# Altium PCB hamed-esfand403.PcbDoc (continued)
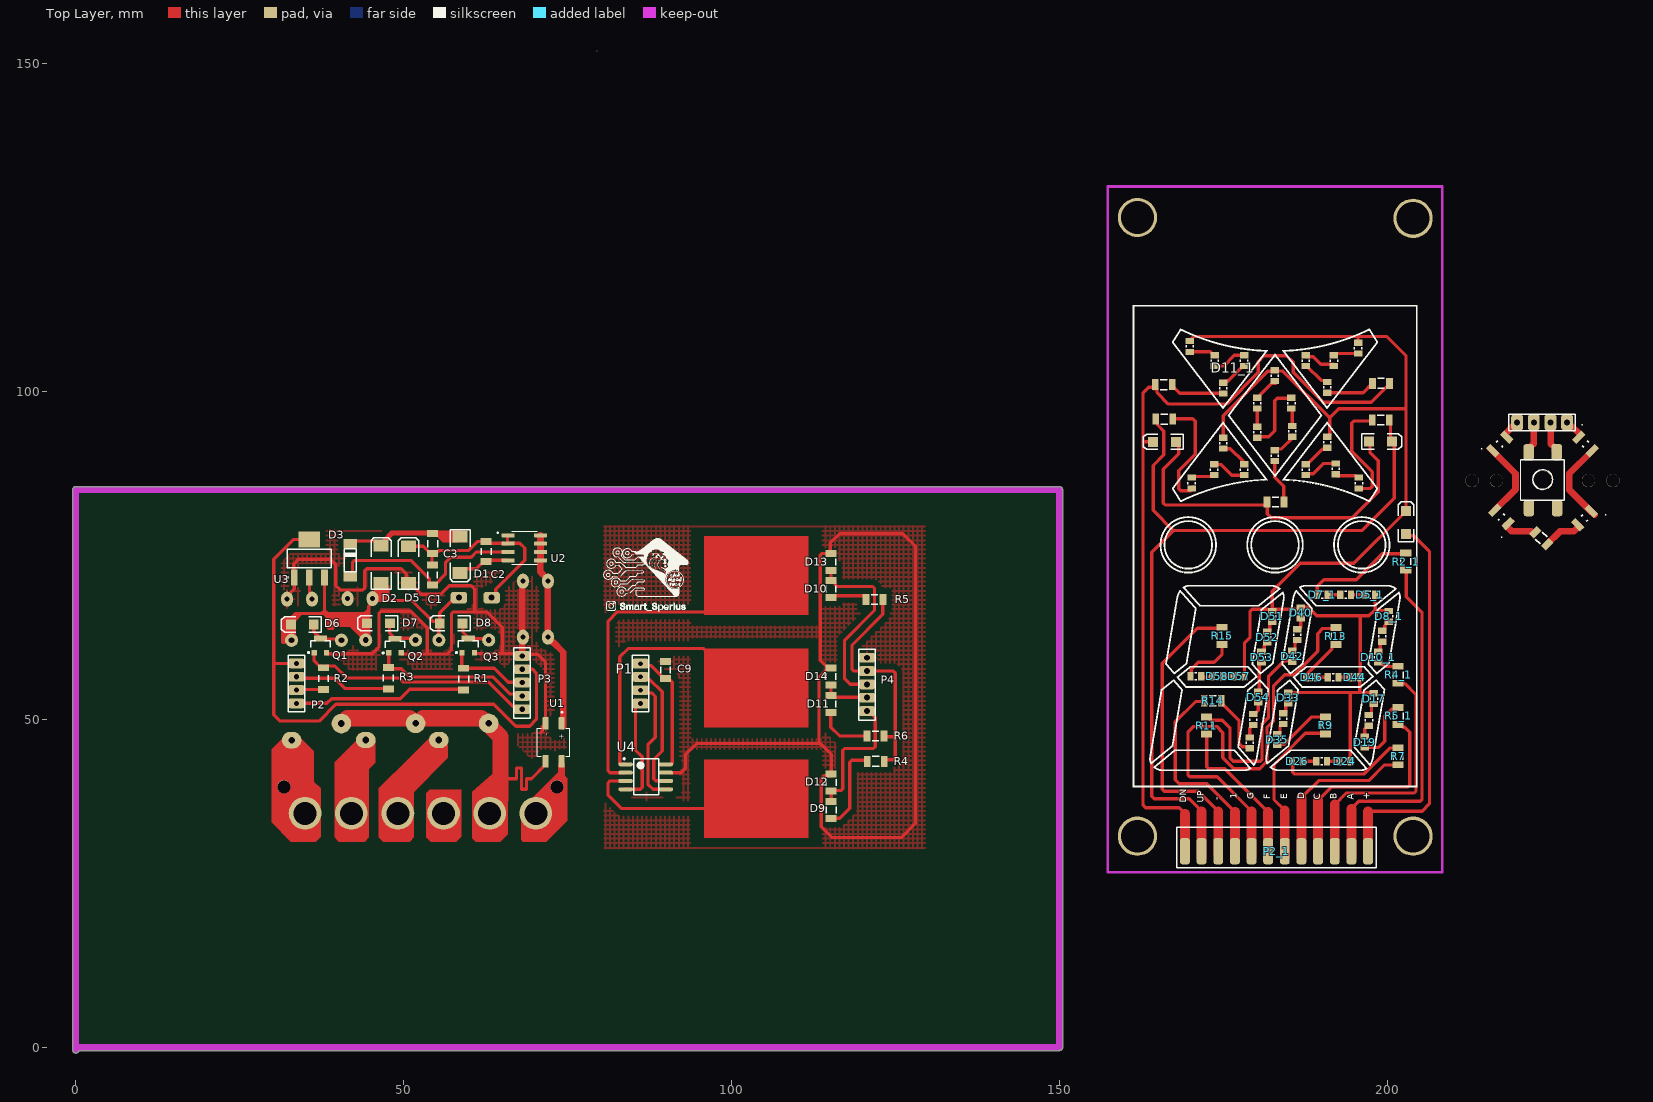
[diagram p0: Top Layer view]
## Part data (continued)
U4: "8-Bit AVR Microcontroller with 1K Byte of Flash Memory", Supplier Part Number 1=ATTINY15L-1SC-ND, ComponentLink1Description=Datasheet, ComponentLink1URL=http://www.atmel.com/dyn/resources/prod_documents/doc1187.pdf, ComponentLink2Description="Atmel.com Home", ComponentLink2URL=http://www.atmel.com, DatasheetVersion=1187E-AVR-06/02, LatestRevisionDate=16-Oct-2006, LatestRevisionNote="IPC-7351 Footprint Added.", PackageDescription="8-Lead, 0.208\" Body, Plastic Small Outline Package (EIAJ)", PackageReference=8S2, PackageVersion="revF, Apr-2008", Published=17-Sep-2003, Publisher="Altium Limited", Supplier 1=Digi-Key, Supplier 2=Mouser, Supplier Part Number 2=556-ATTINY15L1SC
D3: MODEL=1N

## Free pads (board coordinates)
  round 6 hole 5: 1(161.912,126.555) 2(203.949,126.428) 3(203.949,32.194) 4(161.912,32.194)
  round 2 hole 2: 5(216.649,86.423) 6(212.929,86.423) 7(230.69,86.423) 8(234.429,86.423) 156(31.725,39.725) 157(73.375,39.725)
  round 3 hole 3: 7(223.634,86.423)

## Nets (pads, with @x,y where several pads share a name; then routed paths per layer and width w, separated by ;. In a path a pad name is that pad's centre, name@x,y a point inside that pad or via, vN(x,y) a via of type N, cw(c..) or ccw(c..) an arc to the next point about the centre after c; other vN are vias at no path point)
+12v: C7.2 D2.1@46.575,70.831 D6.2@32.8,64.475 D7.2 D8.2 K1.1 K2.1 K3.1 L1.2 U3.3 | length 49.6
  Top Layer w0.5: K1.1 32.903,64.6 32.903,65.553 33.525,66.175 37.925,66.175 ; U3.3 37.925,66.175 ; K2.1 D7.2@44.216,64.4 ; D7.2@44.4,64.4 44.675,64.675 44.675,66.175 ; D2.1@46.675,70.856 46.725,70.806 46.725,68.125 ; K3.1 55.372,64.322 55.5,64.45 55,64.95 54.45,64.95 51.275,68.125 46.725,68.125 ; D8.2 55.5,66.3 57.248,68.048 57.898,68.048 L1.2 ; 37.925,66.175 44.675,66.175 ; 44.675,66.175 44.675,67.245 45.55,68.12 45.55,68.125 46.725,68.125
faz: K1.4 K2.4 K3.4 T1.2 U1.3 | length 55
  Top Layer w0.5: 64.77,40.975 66.925,40.975 ; 66.975,40.975 67.225,40.975 ; U1.3@71.6,43.525 71.6,43.075 69.5,40.975 69.3,40.975 68.733,40.975 68.733,39.368 67.979,39.368 67.979,42.588 67.225,42.588 ; 67.225,40.975 67.225,42.588 ; 67.225,40.975 67.225,41.275 67.225,42.588
  Top Layer w2.5: K1.4 40.638,49.379 41.424,50.165 50.919,50.165 51.681,49.403 K2.4 ; K2.4@52.95,50.175 61.846,50.175 62.523,49.499 62.876,49.499 K3.4 ; K3.4@62.972,49.169 64.77,47.371 64.77,40.975 64.77,37.839 63.119,36.188 T1.2 ; T1.2@63.246,34.237 T1.2@63.246,35.688
  Bottom Layer w0.5: K1.4 K1.4@40.606,49.276
GND: C4.1 C5.1 C7.1 C8.1 C9.2 D5.1 D12.2@115.2,41.676 D13.2@115.15,75.326 D14.2@115.175,57.826 P3.5 P4.5 Q1.2 Q2.2 Q3.2 U1.2 U3.1 U4.7 | length 280.6
  Top Layer w0.5: C8.1@31.97,68.575 33.325,69.93 U3.1 ; U3.1@33.225,71.65 33.225,73.7 33.95,74.425 38.825,74.425 39.625,73.625 39.625,70.425 40.3,69.75 41.375,69.75 ; Q1.2@38.3,60.025 45.2,60.025 46.25,61.075 46.25,66.207 46.543,66.5 51.1,66.5 53.594,64.006 53.594,59.975 ; C7.1@41.375,68.03 41.375,69.75 ; Q2.2 49.625,60.025 49.675,59.975 53.594,59.975 ; D5.1 50.387,71.169 50.387,72.188 49.6,72.975 44.368,72.975 44.075,72.682 44.075,70.043 43.782,69.75 41.375,69.75 ; D5.1@50.725,71.081 52.706,69.1 55.675,69.1 56.975,70.4 60.275,70.4 60.825,69.85 60.825,66.4 ; Q3.2@60.816,60.059 65.025,60.059 ; P3.5@67.703,60.059 65.025,60.059 ; P3.5@68.332,59.95 70.45,59.95 71.625,58.775 71.625,49.4 71.117,48.892 71.117,48.17 70.911,47.964 ; U4.7@90.822,41.887 92.346,41.887 92.981,42.522 92.981,44.619 94.694,46.332 113.555,46.332 113.555,46.205 113.682,46.205 115.206,44.681 115.206,41.41 115.197,41.401 114.101,41.401 113.682,40.982 113.682,33.632 115.333,31.981 125.874,31.981 128.064,34.171 128.064,76.4 126.128,78.336 116.476,78.336 115.079,76.939 115.079,75.326 D13.2@115.079,75.014 ; 113.35,46.332 113.35,56.476 D14.2@114.425,57.551 ; D13.2@115.15,75.326 113.818,75.326 113.525,75.033 113.525,59.001 114.425,58.101 114.575,58.101 114.7,57.976 114.7,57.826 D14.2@115.175,57.826 ; 53.594,59.975 56.673,59.975 57.3,60.602 57.3,66.107 57.593,66.4 60.825,66.4 ; 60.825,66.4 62.675,66.4 65.025,64.05 65.025,60.059
  Top Layer w1: P3.5 68.072,60.059 68.072,62.55 C4.1@68.072,70.875
NetC1_1: C1.1 D3.1@41.85,71.77 U2.3 | length 30.9
  Top Layer w0.5: D3.1@42.2,71.95 42.2,73.957 42.493,74.25 51.1,74.25 53.907,71.443 53.907,70.776 54.12,70.563 54.787,70.563 56.375,72.151 56.375,73.925 57.2,74.75 60.275,74.75 61.065,75.54 U2.3
NetC1_2: C1.2 C2.2 C3.2 D5.2 L1.1 U2.1 U2.2 | length 32.1
  Top Layer w0.5: D5.2 52.981,76.419 C3.2@53.724,75.676 ; C3.2@53.725,75.676 54,75.401 54.432,75.401 54.607,75.576 55.219,75.576 55.418,75.775 59.9,75.775 61.268,77.143 62.556,77.143 C2.2 ; C3.2@54.275,75.401 54.513,75.163 54.325,74.975 C1.2@54.325,73.774 ; C2.2@62.575,77.149 62.85,76.874 65.181,76.874 65.245,76.81 U2.2 ; L1.1@63.426,68.575 64.061,69.21 64.061,69.886 68.45,74.275 68.45,76.15 67.74,76.86 65.836,76.86 65.836,78.03 U2.1@65.886,78.08
NetC2_1: C2.1 D1.2@58.625,72.337 U2.4 | length 7.9
  Top Layer w0.5: D1.2@58.625,72.337 59.275,72.987 61.087,72.987 61.926,73.826 62.3,73.826 C2.1@62.575,74.101 ; C2.1@62.744,74.27 U2.4
NetC3_1: C3.1 D1.1@58.625,77.925 D2.2@46.575,76.546 D3.2@41.85,76.85 | length 17.9
  Top Layer w0.5: D3.2@41.825,77.205 41.845,77.225 45.771,77.225 46.175,76.821 46.425,76.821 D2.2@46.675,76.571 ; D2.2@46.509,76.905 46.625,77.021 46.875,77.021 48.303,78.449 54.275,78.449 54.33,78.394 D1.1@58.65,78.394
NetC4_2: C4.2 C5.2 U1.1 U2.5 U2.6 U2.7 U2.8 | length 30.2
  Top Layer w1: U2.5@70.85,74.07 70.85,72.499 71.746,71.603 71.746,71.359 C4.2 C5.2 ; U2.5 U2.6 U2.7 U2.8 ; C5.2@72.08,62.407 72.105,62.407 72.705,61.807 72.775,61.807 74.35,60.232 U1.1@74.35,48.975
NetD6_1: D6.1@36.3,64.475 K1.2 Q1.3 | length 6
  Top Layer w0.5: D6.1@36.3,64.6 36.307,64.593 36.307,63.393 37.175,62.525 37.25,62.525 37.35,62.425 Q1.3@37.35,62.275 ; Q1.3@37.425,62.275 40.307,62.275 K1.2
NetD7_1: D7.1 K2.2 Q2.3 | length 6.1
  Top Layer w0.5: D7.1@47.825,64.825 47.825,63.25 48.6,62.475 48.625,62.475 48.695,62.405 48.695,62.38 51.539,62.38 K2.2
NetD8_1: D8.1 K3.2 Q3.3 | length 6.1
  Top Layer w0.5: D8.1@59.05,64.85 59.05,63.275 59.8,62.525 59.85,62.475 Q3.3 59.9,62.3 62.775,62.3 K3.2
NetD9_1: D9.1@115.2,34.905 R4.1 | length 13.3
  Top Layer w0.5: D9.1@115.2,34.875 115.258,34.933 116.507,34.933 118.05,36.476 118.05,43.482 118.343,43.775 120.48,43.775 R4.1@120.63,43.625
NetD10_1: D10.1 R5.1 | length 5.9
  Top Layer w0.5: D10.1 115.45,68.88 120.24,68.88 120.515,68.605 R5.1
NetD11_1: D11.1 R6.1@120.642,47.475 | length 8.3
  Top Layer w0.5: D11.1 115.15,48.801 116.476,47.475 R6.1@120.642,47.475
NetP2_1: P2.1 R1.2@59.15,54.5 | length 26.8
  Top Layer w0.5: P2.1 38.276,52.451 39,53.175 49.475,53.175 50.9,54.6 R1.2@59.589,54.6
NetP2_2: P2.2 R2.2 | length 4.2
  Top Layer w0.5: P2.2 33.747,54.575 R2.2
NetP2_3: P2.3 R3.2@47.675,54.649 | length 15.1
  Top Layer w0.5: P2.3 33.895,56.275 39.475,56.275 41.025,54.725 R3.2@48.012,54.725
nol: pad.157 T1.1 U1.4 | length 9.8
  Top Layer w1: T1.1 70.764,36.293 71.943,36.293 73.375,37.725 73.375,39.867 74.075,40.567 74.075,42.845 74.08,42.85 U1.4@74.08,43.145
o1: P1.1@86.123,52.428 P3.1 Q1.1 R2.1 U4.4 | length 52.5
  Top Layer w0.5: Q1.1@36.338,60.2 36.338,58.962 37.148,58.152 37.5,58.152 R2.1 ; R2.1@37.912,58.014 38.048,58.15 39.5,58.15 41.325,56.325 49.275,56.325 49.875,55.725 62.9,55.725 66.647,51.978 67.931,51.978 P3.1@68.434,51.475 ; U4.4@83.625,39.345 86.082,39.345 86.375,39.638 86.375,44.302 85.361,45.316 85.361,51.684 85.851,52.174 P1.1@85.869,52.174
o2: P1.2@86.123,54.46 P3.2 Q2.1 R3.1@47.675,57.951 U4.5 | length 45
  Top Layer w0.5: R3.1@47.675,57.951 47.901,57.725 48.141,57.725 49.65,57.725 50.896,56.479 63.596,56.479 66.181,53.894 68.393,53.894 P3.2@68.812,53.475 ; R3.1@47.725,58.343 Q2.1 ; P1.2@85.869,54.206 86.027,54.048 87.827,54.048 88.375,53.5 88.375,47.289 87.25,46.164 87.25,40.125 88.028,39.347 U4.5@90.539,39.347
o3: P1.3@86.123,56.492 P3.3 Q3.1 R1.1@59.15,57.802 U4.6 | length 32.7
  Top Layer w0.5: R1.1@58.867,57.9 Q3.1@58.867,60.2 ; R1.1@59.15,57.802 63.848,57.802 65.965,55.685 68.013,55.685 P3.3 ; P1.3@86.123,56.492 86.535,56.08 87.551,56.08 89.425,54.206 89.425,45.189 88.125,43.889 88.125,40.929 88.418,40.636 U4.6@90.499,40.636
o21: D9.2@115.2,37.501 D12.1@115.2,39.08 P4.1 | length 19.9
  Top Layer w0.5: D12.1@115.2,39.08 115.38,38.9 115.38,38.934 115.595,39.15 116.691,39.15 116.984,39.443 116.984,45.277 117.277,45.57 121.644,45.57 121.937,45.863 121.937,50.269 P4.1@120.921,51.285 ; D9.2@115.206,37.854 D12.1@115.206,38.814
o22: D11.2 D14.1@115.175,55.23 P4.2 | length 7.2
  Top Layer w0.5: D11.2 115.425,53.376 120.608,53.376 P4.2 ; D11.2@115.175,53.651 D14.1@115.175,55.23
o23: D10.2 D13.1@115.15,72.73 P4.3 | length 29.2
  Top Layer w0.5: D13.1@115.175,72.705 D10.2 115.5,71.201 115.775,70.926 115.775,70.601 116.101,70.275 121.517,70.275 121.81,69.982 121.81,66.652 117.25,62.092 117.25,56.225 118.126,55.349 P4.3@121.589,55.349
of1: K1.3 pad.156 T1.6 | length 12.1
  Top Layer w1.5: T1.6@34.268,36.379 34.497,36.379 34.959,35.917 T1.6
  Top Layer w2.5: K1.3 32.893,46.829 32.893,37.754 T1.6@34.268,36.379
of2: K2.3 T1.5 | length 12.6
  Top Layer w2.5: T1.5@42.019,35.2 42.019,43.219 43.966,45.166 43.966,46.613 K2.3
of3: K3.3 T1.4 | length 13.8
  Top Layer w2.5: T1.4 49.119,40.61 K3.3
VCC: C8.2 C9.1 P1.4@86.123,58.524 P2.4 P3.4 P4.4 R4.2 R5.2 R6.2@123.238,47.475 U3.2 U3.4 U4.8 | length 145
  Top Layer w0.5: P2.4 30.2,58.547 ; U3.2 35.625,69.355 36.03,68.95 C8.2 ; U3.4 33.225,77.45 30.2,74.425 30.2,58.547 ; P3.4 69.667,57.658 70.25,57.075 70.25,50.025 69.2,48.975 67.125,48.975 63.775,52.325 39.675,52.325 37.1,49.75 31.15,49.75 30.2,50.7 30.2,58.547 ; P1.4@86.123,58.524 86.408,58.239 87.678,58.239 89.333,56.584 89.333,56.513 89.608,56.238 C9.1 ; C9.1@89.375,55.963 90.656,55.963 90.949,55.67 U4.8@90.949,43.284 ; R5.2 123.08,68.272 123.08,66.017 118.381,61.318 118.381,57.674 118.674,57.381 P4.4 124.692,57.381 124.985,57.088 124.985,47.348 ; R6.2@123.238,47.475 123.365,47.348 124.985,47.348 ; R4.2@123.291,43.85 124.692,43.85 124.985,44.143 124.985,47.348
pads on no net: D1.1@216.386,81.896 D1.2@218.436,79.88 D2.1@218.218,93.072 D2.2@216.114,90.968 D3.1@229.033,79.7 D3.2@231.119,81.751 D4.1 D4.2 D5_1.1 D5_1.2 D6.1@194.5,69.024 D6.2@192.85,69.024 D7_1.1 D7_1.2 D8_1.1 D8_1.2 D9.1@199.25,63.512 D9.2@199.25,61.862 D10_1.1 D10_1.2 D11_1.1 D11_1.2 D12.1@178.168,105.549 D12.2@178.168,103.899 D13.1@173.723,105.549 D13.2@173.723,103.899 D14.1@169.913,107.708 D14.2@169.913,106.058 D15.1 D15.2 D16.1 D16.2 D17.1 D17.2 D18.1 D18.2 D19.1 D19.2 D20.1 D20.2 D21.1 D21.2 D22.1 D22.2 D23.1 D23.2 D24.1 D24.2 D25.1 D25.2 D26.1 D26.2 D27.1 D27.2 D28.1 D28.2 D29.1 D29.2 D30.1 D30.2 D31.1 D31.2 D32.1 D32.2 D33.1 D33.2 D34.1 D34.2 D35.1 D35.2 D36.1 D36.2 D37.1 D37.2 D38.1 D38.2 D39.1 D39.2 D40.1 D40.2 D41.1 D41.2 D42.1 D42.2 D43.1 D43.2 D44.1 D44.2 D45.1 D45.2 D46.1 D46.2 D47.1 D47.2 D48.1 D48.2 D49.1 D49.2 D50.1 D50.2 D51.1 D51.2 D52.1 D52.2 D53.1 D53.2 D54.1 D54.2 D55.1 D55.2 D56.1 D56.2 D57.1 D57.2 D58.1 D58.2 D59.1 D59.2 P1.1@219.824,95.313 P1.2@222.364,95.313 P1.3@224.904,95.313 P1.4@227.444,95.313 P2_1.1 P2_1.2 P2_1.3 P2_1.4 P2_1.5 P2_1.6 P2_1.7 P2_1.8 P2_1.9 P2_1.10 P2_1.11 P2_1.12 R1.1@224.423,76.744 R1.2@222.587,78.58 R2_1.1 R2_1.2 R3.1@164.625,101.058 R3.2@167.221,101.058 R4_1.1 R4_1.2 R5_1.1 R5_1.2 R6.1@200.341,101.258 R6.2@197.745,101.258 R7.1 R7.2 R8.1 R8.2 R9.1 R9.2 R10.1 R10.2 R11.1 R11.2 R12.1 R12.2 R13.1 R13.2 R14.1 R14.2 R15.1 R15.2 S1.1 S1.2 S1.3 S1.4 T1.3 U4.1 U4.2 U4.3
copper on no net: | length 1375.4
  Top Layer w0.5: 83.265,40.617 81.463,40.617 81.17,40.324 81.17,38.458 83.202,36.426 102.284,36.426 103.777,37.919 ; 83.739,41.887 81.463,41.887 81.17,42.18 81.17,65.001 82.567,66.398 98.972,66.398 104.664,72.09 ; 83.811,43.157 82.994,43.157 82.948,43.203 82.948,59.54 84.218,60.81 95.777,60.81 97.491,59.096 98.252,59.096 ; 164.27,92.333 162.77,92.333 ; 164.372,100.678 163.643,100.678 162.77,99.806 162.77,92.333 ; 164.625,100.931 164.625,100.678 164.35,100.403 164.828,100.403 164.9,100.331 164.9,99.853 166.645,98.107 175.501,98.107 180.327,102.933 180.327,104.584 181.216,105.473 184.645,105.473 185.661,104.457 185.661,102.933 190.233,98.361 197.571,98.361 200.341,101.131 ; 164.7,95.681 164.975,95.406 164.975,94.951 165.945,93.981 165.945,90.356 164.32,88.731 164.32,81.881 167.395,78.806 ; 167.221,100.919 168.382,99.758 174.903,99.758 ; 167.296,95.681 167.496,95.881 170.32,95.881 170.72,95.481 170.72,90.481 168.195,87.956 168.195,85.192 168.488,84.899 170.027,84.899 170.32,85.192 ; 168.22,92.581 168.22,90.556 165.845,88.181 165.845,82.998 166.138,82.706 181.375,82.706 181.512,82.843 ; 169.151,35.623 168.262,36.512 163.164,36.512 162.77,36.906 162.77,92.333 ; 169.613,106.156 169.763,106.006 ; 169.913,106.058 173.039,106.058 173.548,105.549 173.723,105.549 ; 169.986,107.861 170.186,108.06 170.186,108.113 170.479,108.406 195.567,108.406 ; 169.99,56.578 170.1,56.688 170.1,57.654 171.183,58.737 173.596,58.737 174.82,59.961 174.82,61.457 ; 170.167,86.88 170.345,87.058 173.658,87.058 ; 170.447,85.319 170.447,85.473 ; 171.64,56.578 171.767,56.451 173.165,56.451 173.292,56.578 ; 171.691,36.004 169.789,37.906 164.495,37.906 164.102,38.298 164.102,75.513 167.395,78.806 ; 172.1,52.731 170.77,52.731 167.695,49.656 167.695,40.806 168.295,40.206 172.495,40.206 176.771,35.93 ; 172.47,47.635 172.47,42.781 172.77,42.481 175.247,42.481 181.851,35.877 ; 173.045,49.881 174.845,49.881 176.045,48.681 176.045,44.069 176.491,43.624 180.623,43.624 180.916,43.917 180.916,49.327 181.916,50.327 181.916,56.577 184.281,58.941 185.534,58.941 ; 173.591,88.963 173.682,88.872 174.703,88.872 176.313,87.262 178.168,87.262 ; 173.723,103.899 175.043,103.899 176.693,105.549 178.168,105.549 ; 174.231,36.004 171.179,39.056 165.988,39.056 165.695,39.348 165.695,58.556 171.066,63.926 174.82,63.926 ; 174.696,52.858 174.696,52.533 177.406,49.822 177.406,46.291 177.866,45.831 178.832,45.831 179.057,45.606 ; 174.942,56.578 176.594,56.578 ; 174.993,91.326 175.034,91.285 176.1,91.285 178.041,89.344 ; 174.993,92.976 174.993,96.329 181.76,103.096 182.954,103.096 182.994,103.136 184.094,103.136 191.235,95.995 ; 174.993,101.358 175.218,101.583 175.677,101.583 177.993,103.899 178.168,103.899 ; 178.244,56.578 178.244,61.705 179.095,62.556 179.095,66.511 179.388,66.804 181.793,66.804 181.812,66.785 182.261,66.785 182.486,66.56 ; 179.057,47.256 179.057,48.654 179.165,48.762 179.165,48.937 179.39,49.162 179.565,49.162 ; 179.311,36.004 174.059,41.256 169.913,41.256 169.62,41.548 169.62,48.081 170.47,48.931 173.995,48.931 174.92,48.006 174.92,44.128 176.567,42.481 180.547,42.481 181.67,43.605 181.67,48.806 182.67,49.806 182.67,55.131 184.372,56.832 185.797,56.832 189.395,60.431 189.395,63.081 190.191,63.876 192.195,63.876 ; 179.565,50.812 179.74,50.812 180.327,51.399 180.327,52.591 ; 180.199,99.122 180.224,99.096 180.399,99.096 180.6,99.297 180.6,99.472 182.41,101.282 182.991,101.282 ; 180.2,94.754 180.2,97.422 ; 180.327,54.241 180.502,54.416 180.502,58.462 180.727,58.687 180.835,58.687 ; 180.454,93.104 181.928,93.104 182.867,94.043 182.867,98.615 183.248,98.996 185.371,98.996 ; 180.835,60.337 181.01,60.337 181.235,60.562 181.235,61.246 181.324,61.335 181.324,61.51 181.549,61.735 181.724,61.735 ; 181.345,82.726 181.65,83.031 181.695,82.985 181.695,81.381 182.32,80.756 194.695,80.756 198.645,84.706 198.645,89.481 197.37,90.756 197.37,92.731 ; 181.724,63.385 181.88,63.385 182.105,63.61 182.105,64.685 182.33,64.91 182.486,64.91 ; 182.486,66.785 182.486,69.546 186.745,73.806 194.893,73.806 202.87,81.783 202.87,97.381 ; 182.486,66.804 182.713,66.804 186.365,66.804 186.629,67.068 186.804,67.068 ; 182.757,90.995 183.007,91.245 183.879,91.245 185.598,92.963 ; 182.867,89.421 182.867,86.934 184.246,85.555 184.246,83.158 184.246,83.031 ; 183.248,46.114 183.358,46.224 184.324,46.224 188.486,50.386 190.614,50.386 ; 183.248,47.764 183.423,47.764 183.648,47.989 183.648,48.975 183.962,49.289 184.137,49.289 ; 184.137,50.939 184.293,50.939 184.518,51.164 184.518,52.239 184.743,52.464 184.899,52.464 ; 184.391,36.131 182.74,37.782 182.74,43.116 184.264,44.64 187.512,47.888 190.848,47.888 190.72,47.76 ; 184.899,54.114 194.373,54.114 ; 185.534,60.464 185.709,60.464 185.934,60.689 185.934,61.627 186.023,61.716 186.023,61.891 186.248,62.116 186.423,62.116 ; 185.534,94.754 185.534,97.295 185.661,97.422 ; 185.611,43.751 185.611,41.962 185.904,41.669 196.409,41.669 200.37,45.631 201.815,45.631 ; 186.423,63.766 186.579,63.766 186.804,63.991 186.804,65.418 ; 186.804,67.155 187.911,67.155 189.235,65.831 195.897,65.831 ; 186.931,38.036 189.572,40.677 197.216,40.677 199.595,43.056 202.015,43.056 ; 187.134,43.624 189.167,43.624 ; 187.566,56.165 187.868,56.467 187.868,57.08 191.595,60.807 191.595,61.132 191.87,61.407 192.195,61.407 ; 187.566,87.262 187.791,87.487 188.757,87.487 190.309,89.039 192.138,89.039 ; 187.566,103.899 187.741,103.899 189.93,101.71 190.643,101.71 190.868,101.485 ; 187.566,105.549 187.791,105.324 188.731,105.324 189.902,104.153 191.884,104.153 ; 187.82,87.439 188.433,87.431 ; 187.838,89.009 187.966,89.137 188.012,89.137 190.103,91.228 190.643,91.228 190.868,91.453 ; 189.293,56.451 190.945,56.451 ; 189.344,69.278 189.344,70.294 190.36,71.31 195.313,71.31 199.259,75.256 203.391,75.256 ; 189.471,37.655 191.522,39.706 203.152,39.706 203.445,39.998 203.445,48.056 202.691,48.81 202.428,48.81 202.232,49.006 ; 190.741,99.835 196.322,99.835 197.745,101.258 ; 190.817,43.624 192.723,43.624 ; 190.868,93.103 191.01,93.103 191.235,93.328 191.235,95.995 ; 190.944,69.024 192.85,69.024 ; 191.885,105.804 195.566,105.804 ; 192.011,37.02 193.772,38.781 204.102,38.781 204.395,39.073 204.395,53.756 202.741,55.41 202.62,55.41 202.437,55.593 202.437,55.714 ; 192.138,87.389 192.342,87.185 195.214,87.185 195.519,86.88 195.694,86.88 ; 192.595,56.451 194.247,56.451 ; 194.373,43.624 194.373,54.114 ; 194.5,69.024 196.533,69.024 ; 194.551,36.385 195.678,37.512 205.027,37.512 205.32,37.805 205.32,66.306 202.92,68.706 202.92,72.787 ; 195.567,107.454 195.567,108.406 ; 195.821,85.23 197.433,85.23 197.726,85.523 197.726,87.75 194.595,90.881 194.595,95.213 194.888,95.506 197.844,95.506 ; 195.831,54.165 195.831,56.385 195.897,56.451 195.897,65.831 ; 196.583,45.733 198.692,45.733 199.631,46.672 199.631,50.482 200.707,51.558 201.395,51.558 201.67,51.833 ; 196.583,47.383 196.583,48.575 197.043,49.035 197.218,49.035 ; 197.091,36.004 205.319,36.004 206.445,37.131 206.445,75.631 204.076,78 203.276,78 202.895,78.381 ; 197.218,50.685 197.374,50.685 197.599,50.91 197.599,52.112 197.824,52.337 197.98,52.337 ; 197.98,53.987 197.853,54.114 194.373,54.114 ; 198.183,69.024 198.183,66.794 198.001,66.611 ; 198.615,60.337 198.707,60.337 198.933,60.562 198.933,61.637 199.158,61.862 199.25,61.862 ; 198.742,58.941 198.967,58.716 199.603,58.081 201.82,58.081 ; 199.25,63.512 199.425,63.512 199.65,63.737 199.65,64.294 199.866,64.51 199.866,64.685 200.091,64.91 200.266,64.91 ; 200.012,66.433 200.012,66.465 199.866,66.611 198.001,66.611 ; 200.516,95.756 200.516,93.085 201.07,92.531 201.07,83.731 196.145,78.806 167.395,78.806 ; 191.235,95.995 192.62,97.381 202.87,97.381 ; 195.567,108.406 199.92,108.406 202.87,105.456 202.87,97.381 ; 195.897,65.831 197.22,65.831 198.001,66.611
  Top Layer w1: 56.099,35.18 56.099,35.33 ; 215.751,91.288 219.569,87.47 219.569,85.079 216.386,81.896 ; 217.959,93.495 219.439,94.976 219.439,95.304 219.839,95.704 ; 218.089,79.61 219.023,78.676 221.996,78.676 222.322,78.35 222.514,78.541 ; 221.569,90.604 221.869,90.904 221.869,91.579 222.379,92.089 222.379,95.704 ; 224.423,76.744 226.355,78.676 228.462,78.676 229.27,79.484 ; 224.919,95.704 224.919,92.054 225.544,91.429 225.544,90.954 225.844,90.654 ; 227.459,95.704 227.859,95.304 227.859,95.025 229.476,93.408 ; 231.083,81.715 227.744,85.054 227.744,87.467 231.263,90.986 ; 231.119,81.751 231.635,81.235
  Top Layer w1.5: 169.151,29.4 169.151,35.623 ; 171.691,29.019 171.691,36.004 ; 174.231,29.362 174.231,36.004 ; 176.771,29.019 176.771,35.93 ; 179.311,29.019 179.311,36.004 ; 181.851,29.654 181.851,35.877 ; 184.391,29.019 184.391,36.131 ; 186.931,29.019 186.931,38.036 ; 189.471,29.019 189.471,37.655 ; 192.011,29.019 192.011,37.02 ; 194.551,29.019 194.551,36.385 ; 197.091,29.019 197.091,36.004
  Bottom Layer w0.2: 79.375,151.892 79.502,152.019

## Polygon pours and split planes (outlines as drawn)
GND on Top Layer "GND_L01_P-001" (hatched 90Degree grid 0.7 track 0.3, remove dead copper, pour order 1): 34.25,78.925 71.4,78.925 74.925,75.4 74.8,75.275 74.8,41.6 73.5,41.6 73.225,41.875 73.225,44.15 69.325,44.15 67.4,46.075 67.4,48.675 63.775,52.3 38.475,52.3 38.475,51.4 36.65,49.575 30,49.575 30,74.675
GND on Top Layer "GND_L01_P-001" (hatched 90Degree grid 0.7 track 0.3, remove dead copper, pour order 0): 80.525,79.6 80.6,79.525 129.525,79.525 129.525,30.375 129.475,30.325 80.6,30.325

## Keep-outs
Keep-Out Layer:
  lines w0.4: 198.82,26.706 204.52,26.706 ; 198.82,26.706 204.52,26.706 ; 198.82,26.706 167.04,26.706 161.27,26.706 157.395,26.706 157.395,131.281 208.395,131.281 208.395,26.706 204.52,26.706
  lines w1: 0,-0.381 0,85 150,85 150,0 0,0

## Other copper
Top Layer:
  region: 111.777,48.81 111.777,60.81 95.777,60.81 95.777,48.81
  region: 111.777,65.955 111.777,77.955 95.777,77.955 95.777,65.955
  region: 111.777,31.919 111.777,43.919 95.777,43.919 95.777,31.919
  region net nol: 71.755,31.37 74.93,34.545 74.93,40.995 73.925,42 73.625,42 67.945,36.32 67.945,31.624 68.199,31.37
  region net of1: 29.845,40.641 29.845,34.291 32.766,31.37 36.576,31.37 37.325,32.119 37.325,36.336 33.02,40.641
  region net of1: 29.972,40.26 29.972,34.672 31.115,33.529 34.671,33.529 34.671,35.561 35.433,36.323
  region net of1: 29.845,40.167 29.845,45.47 31.45,47.075 34.375,47.075 36.325,45.125 36.325,40.5 37.325,39.5 37.325,34.351
  region net of2: 39.497,39.497 39.497,32.005 40.132,31.37 44.069,31.37 44.704,32.005 44.704,38.99 44.197,39.497
  region net of2: 39.5,39.2 39.5,43.5 42.85,46.85 45.675,46.85 45.675,43.4 44.704,42.429 44.704,38.99
  region net +12v: 44.5,66.9 43.85,66.25 43.775,66.325 38.475,66.325 37.925,66.875 37.8,66.875 37.8,66.75 37.375,66.325 38.1,65.6 38.1,64.1 38.5,63.7 39.225,63.7 39.675,64.15 41.75,64.15 43.725,62.175 43.775,62.225 44.9,62.225 44.9,66.35 44.775,66.475
  region net of3: 56.75,46.875 56.75,44.15 51.15,38.55 50.25,39.45 46.7,39.45 46.7,39.975 54.175,47.45 54.375,47.45
  region net of3: 46.228,37.593 46.228,32.005 46.863,31.37 50.927,31.37 51.562,32.005 51.562,35.434
  region net of3: 47.371,33.529 46.228,34.672 46.228,39.503 48.525,41.8 50.15,41.8 51.562,40.388 51.562,34.545 50.546,33.529
  region net +12v: 45.525,70.95 45.525,68.738 46.187,68.075 46.313,68.2 47.8,68.2 47.8,70.374
  region net NetC3_1: 46.775,77.45 46.775,77.5 48.05,78.775 58.925,78.775 58.925,77.65 58.325,77.05 55.925,77.05 54.9,78.075 48.4,78.075 46.9,76.575
  region net +12v: 33.5,64.85 33.525,64.825 33.525,62.475 33.4,62.35 33,62.75 32.6,62.75 32.6,62.575 32.05,62.025 32.075,62 32.075,61.575 31.45,61.575 31.3,61.725 31.3,65.15 31.925,65.775 33.125,65.775 33.525,66.175 33.55,66.15 34.525,66.15
  region: 53.467,38.736 53.467,32.005 54.102,31.37 58.039,31.37 58.801,32.132 58.801,39.274 54.005,39.274
  region net faz: 62.611,31.37 62.738,31.497 62.611,31.37 60.96,31.37 60.452,31.878 60.452,38.998 64.714,42.672 65.913,42.672 65.913,32.513 64.77,31.37 61.595,31.37
  pour cut-out: 93.678,45.316 113.809,45.316 113.809,30.711 93.807,30.711
  pour cut-out: 93.803,62.334 113.682,62.334 113.682,47.221 93.936,47.221
  pour cut-out: 93.806,79.225 113.682,79.225 113.682,64.366 93.937,64.366

## Silkscreen, mask and mechanical layers (free items; w line width, h text height)
Top Overlay:
  drawing of 70 lines, arcs and shapes, not listed
  text "." at 229.476,94.805 h1.52
  text "." at 214.109,91.122 h1.52
  text "." at 233.032,81.089 h1.52
  text "." at 217.157,77.66 h1.52
  text "1" at 177.095,37.906 h1 r90
  text "F" at 182.17,37.831 h1 r90
  text "D" at 187.32,37.831 h1 r90
  text "G" at 179.645,37.806 h1 r90
  text "E" at 184.745,37.806 h1 r90
  text "B" at 192.32,37.806 h1 r90
  text "C" at 189.82,37.731 h1 r90
  text "A" at 194.87,37.731 h1 r90
  text "+" at 197.345,37.731 h1 r90
  text "-" at 174.499,37.681 h1 r90
  text "DN" at 169.395,37.281 h1 r90
  text "UP" at 172.045,37.281 h1 r90
Bottom Overlay:
  drawing of 113 lines, arcs and shapes, not listed
  text "SW" at 221.856,87.82 h1.2 r90
  text "SW" at 226.555,87.82 h1.2 r90
  text "GND" at 219.316,87.439 h1.2 r90
  text "+24" at 228.841,87.312 h1.2 r90
  text "DN" at 169.395,38.659 h1 r90
  text "UP" at 172.045,38.659 h1 r90
  text "-" at 174.459,38.598 h1 r90
  text "1" at 177.095,38.395 h1 r90
  text "F" at 182.17,38.32 h1 r90
  text "D" at 187.32,38.32 h1 r90
  text "G" at 179.645,38.295 h1 r90
  text "E" at 184.745,38.295 h1 r90
  text "B" at 192.32,38.295 h1 r90
  text "C" at 189.82,38.22 h1 r90
  text "A" at 194.87,38.22 h1 r90
  text "+" at 197.345,38.22 h1 r90
Mechanical 2:
  lines w0.2: 27.686,80.264 160.909,80.264 ; 29.21,77.089 29.21,151.892 ; 41.021,29.972 161.417,29.972 ; 79.375,76.835 79.375,151.892
Mechanical 13:
  circle w0.254: c223.669,86.429 r12.5
  lines w0.2: 29.21,74.169 29.21,74.804 33.782,79.376 ; 80.017,29.939 80.017,79.87 ; 80.134,29.822 129.948,29.822 ; 80.134,79.987 129.948,79.987 ; 130.065,29.939 130.065,79.87
  lines w0.254: 29.21,74.169 29.21,34.164 32.766,30.608 71.628,30.608 75.565,34.545 75.565,75.693 71.882,79.376 33.782,79.376

## Text inside footprints (layer, text, board x,y; h text height)
U1: Top Overlay "+" at 73.765,47.924 h0.81 r270; Top Overlay "-" at 71.475,47.925 h0.81 r270